# Altium PCB uZed_breakout.PcbDoc (part 2 of 5) (continued)
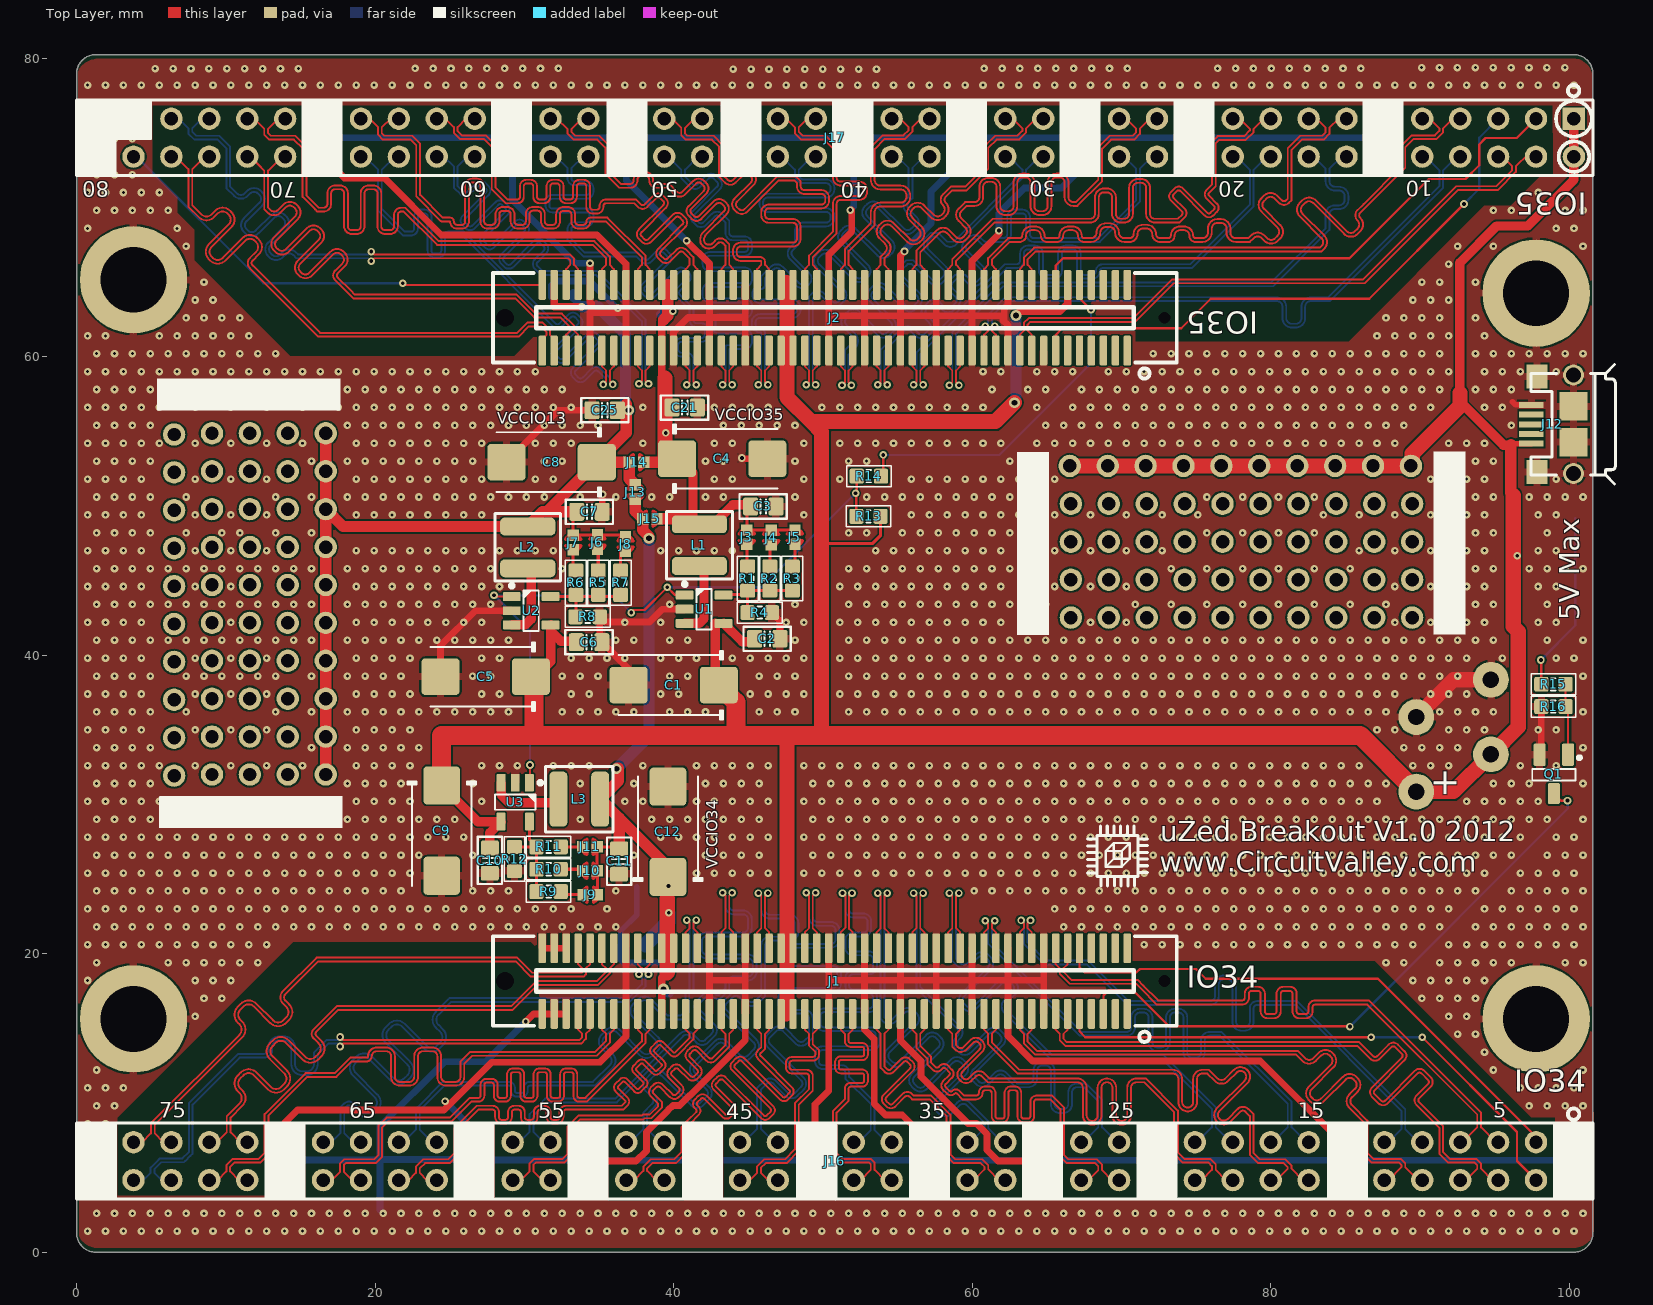
[diagram p0: Top Layer view]
## Nets (pads, with @x,y where several pads share a name; then routed paths per layer and width w, separated by ;. In a path a pad name is that pad's centre, name@x,y a point inside that pad or via, vN(x,y) a via of type N, cw(c..) or ccw(c..) an arc to the next point about the centre after c; other vN are vias at no path point) (continued)
57.135,56.6 58.335,56.6 59.535,56.6 60.735,56.6 64.335,56.6 66.735,56.6 67.935,56.6 69.135,56.6 70.335,56.6 71.535,56.6 72.735,56.6 73.935,56.6 75.135,56.6 76.335,56.6 77.535,56.6 78.735,56.6 79.935,56.6 81.135,56.6 82.335,56.6 83.535,56.6 84.735,56.6 85.935,56.6 87.135,56.6 88.335,56.6 89.535,56.6 90.735,56.6 94.335,56.6 95.535,56.6 1.335,57.8 2.535,57.8 3.735,57.8 4.935,57.8 18.135,57.8 19.335,57.8 20.535,57.8 21.735,57.8 22.935,57.8 24.135,57.8 25.335,57.8 26.535,57.8 27.735,57.8 28.935,57.8 30.135,57.8 31.335,57.8 32.535,57.8 61.335,57.8 63.735,57.8 64.935,57.8 67.335,57.8 68.535,57.8 69.735,57.8 70.935,57.8 72.135,57.8 73.335,57.8 74.535,57.8 75.735,57.8 76.935,57.8 78.135,57.8 79.335,57.8 80.535,57.8 81.735,57.8 82.935,57.8 84.135,57.8 85.335,57.8 86.535,57.8 87.735,57.8 88.935,57.8 90.135,57.8 91.335,57.8 93.735,57.8 94.935,57.8 96.135,57.8 0.735,59 1.935,59 3.135,59 4.335,59 5.535,59 6.735,59 7.935,59 9.135,59 10.335,59 11.535,59 12.735,59 13.935,59 15.135,59 16.335,59 17.535,59 18.735,59 19.935,59 21.135,59 22.335,59 23.535,59 24.735,59 25.935,59 27.135,59 28.335,59 29.535,59 30.735,59 60.735,59 61.935,59 64.335,59 65.535,59 66.735,59 69.135,59 70.335,59 71.535,59 72.735,59 73.935,59 75.135,59 76.335,59 77.535,59 78.735,59 79.935,59 81.135,59 82.335,59 83.535,59 84.735,59 85.935,59 87.135,59 88.335,59 89.535,59 90.735,59 91.935,59 94.335,59 95.535,59 96.735,59 99.135,59 1.335,60.2 2.535,60.2 3.735,60.2 4.935,60.2 6.135,60.2 7.335,60.2 8.535,60.2 9.735,60.2 10.935,60.2 12.135,60.2 13.335,60.2 72.135,60.2 73.335,60.2 74.535,60.2 75.735,60.2 76.935,60.2 78.135,60.2 79.335,60.2 80.535,60.2 81.735,60.2 82.935,60.2 84.135,60.2 85.335,60.2 86.535,60.2 87.735,60.2 88.935,60.2 90.135,60.2 91.335,60.2 93.735,60.2 94.935,60.2 96.135,60.2 97.335,60.2 98.535,60.2 99.735,60.2 100.935,60.2 0.735,61.4 1.935,61.4 5.535,61.4 6.735,61.4 7.935,61.4 9.135,61.4 10.335,61.4 11.535,61.4 87.135,61.4 88.335,61.4 89.535,61.4 90.735,61.4 91.935,61.4 94.335,61.4 7.335,62.6 8.535,62.6 9.735,62.6 10.935,62.6 87.735,62.6 88.935,62.6 90.135,62.6 91.335,62.6 93.735,62.6 7.935,63.8 9.135,63.8 89.535,63.8 90.735,63.8 91.935,63.8 8.535,65 90.135,65 91.335,65 93.735,65 91.935,66.2 7.335,67.4 92.535,67.4 94.935,67.4 100.935,67.4 0.735,68.6 6.735,68.6 99.135,68.6 100.335,68.6 1.335,69.8 2.535,69.8 3.735,69.8 4.935,69.8 6.135,69.8 94.935,69.8 96.135,69.8 99.735,69.8 100.935,69.8 0.735,71 1.935,71 3.135,71 4.335,71 5.535,71 97.935,71 1.335,72.2 2.535,72.2 3.735,72.2 1.335,74.6 2.535,74.6 3.735,74.6 15.735,74.6 16.935,74.6 28.935,74.6 30.135,74.6 37.335,74.6 44.535,74.6 51.735,74.6 58.935,74.6 60.135,74.6 67.335,74.6 74.535,74.6 87.735,74.6 2.535,77 15.735,77 16.935,77 30.135,77 36.135,77 37.335,77 52.935,77 58.935,77 60.135,77 75.735,77 0.735,78.2 1.935,78.2 3.135,78.2 4.335,78.2 5.535,78.2 6.735,78.2 7.935,78.2 9.135,78.2 10.335,78.2 11.535,78.2 12.735,78.2 13.935,78.2 15.135,78.2 16.335,78.2 17.535,78.2 18.735,78.2 19.935,78.2 21.135,78.2 22.335,78.2 23.535,78.2 24.735,78.2 25.935,78.2 27.135,78.2 28.335,78.2 29.535,78.2 30.735,78.2 31.935,78.2 33.135,78.2 34.335,78.2 35.535,78.2 36.735,78.2 37.935,78.2 39.135,78.2 40.335,78.2 41.535,78.2 42.735,78.2 43.935,78.2 45.135,78.2 46.335,78.2 47.535,78.2 48.735,78.2 49.935,78.2 51.135,78.2 52.335,78.2 53.535,78.2 54.735,78.2 55.935,78.2 57.135,78.2 58.335,78.2 59.535,78.2 60.735,78.2 61.935,78.2 63.135,78.2 64.335,78.2 65.535,78.2 66.735,78.2 67.935,78.2 69.135,78.2 70.335,78.2 71.535,78.2 72.735,78.2 73.935,78.2 75.135,78.2 76.335,78.2 77.535,78.2 78.735,78.2 79.935,78.2 81.135,78.2 82.335,78.2 83.535,78.2 84.735,78.2 85.935,78.2 87.135,78.2 88.335,78.2 89.535,78.2 90.735,78.2 91.935,78.2 93.135,78.2 94.335,78.2 95.535,78.2 96.735,78.2 97.935,78.2 99.135,78.2 100.335,78.2 43.994,79.273 45.194,79.273 46.394,79.273 47.594,79.273 48.794,79.273 49.994,79.273 51.194,79.273 52.394,79.273 53.594,79.273 5.259,79.299 6.459,79.299 7.659,79.299 8.859,79.299 10.059,79.299 11.259,79.299 12.459,79.299 13.659,79.299 14.859,79.299 22.683,79.324 23.883,79.324 25.083,79.324 26.283,79.324 27.483,79.324 28.683,79.324 29.883,79.324 31.083,79.324 32.283,79.324 60.809,79.324 62.009,79.324 63.209,79.324 64.409,79.324 65.609,79.324 66.809,79.324 68.009,79.324 69.209,79.324 70.409,79.324 76.455,79.324 77.655,79.324 78.855,79.324 80.055,79.324 81.255,79.324 82.455,79.324 83.655,79.324 84.855,79.324 86.055,79.324 90.12,79.375 91.32,79.375 92.52,79.375 93.72,79.375 94.92,79.375 96.12,79.375 97.32,79.375 98.52,79.375 99.72,79.375
IO_0_34: J1.9 J16.4 | length 37
  Top Layer w0.152: J1.9@67.2,15.961 67.2,14.791 67.589,14.402 v2(86.741,14.402) ; v2(90.17,14.402) 96.52,8.052 96.52,6.096 J16.4@97.79,4.826
  Bottom Layer w0.152: v2(86.741,14.402) v2(90.17,14.402)
IO_0_35: J2.13 J17.5 | length 38.7
  Top Layer w0.152: J2.13@65.6,60.411 65.6,61.46 66.04,61.9 74.016,61.9 75.997,63.881 86.614,63.881 v2(92.964,70.231)
  Bottom Layer w0.152: v2(92.964,70.231) 93.98,71.247 93.98,74.676 J17.5@95.25,75.946
IO_25_34: J1.10 J16.3 | length 37.1
  Top Layer w0.152: J1.10@67.2,20.361 67.2,19.084 67.539,18.745 71.018,18.745 71.247,18.974 75.006,18.974 75.667,18.313 87.198,18.313 97.79,7.722 J16.3@97.79,7.366
IO_25_35: J2.14 J17.3 | length 38.4
  Top Layer w0.152: J2.14@65.6,64.811 65.6,66.108 66.091,66.599 85.293,66.599 90.602,71.907 93.066,71.907 93.98,72.822 93.98,74.219 94.412,74.651 96.495,74.651 J17.3@97.79,75.946
L0_T0_34_N: J1.13 J16.8 | length 45.3
  Top Layer w0.127: J1.13@65.6,15.961 65.6,14.897 65.873,14.624 65.873,14.195 66.25,13.818 85.827,13.818 86.694,12.95 ccw(c87.004,13.26) 87.314,12.95 88.095,13.731 cw(c88.225,13.601) 88.356,13.731 88.796,13.291 cw(c88.665,13.161) 88.85,13.161 cw(c88.665,13.161) 88.796,13.031 86.793,11.028 ccw(c87.103,10.718) 86.793,10.408 87.233,9.968 ccw(c87.543,10.278) 87.853,9.968 89.855,11.971 cw(c89.986,11.841) 90.116,11.971 90.556,11.531 cw(c90.426,11.401) 90.61,11.401 cw(c90.426,11.401) 90.556,11.271 89.775,10.489 ccw(c90.084,10.179) 89.775,9.87 91.313,8.331 91.313,6.6 91.919,5.994 93.675,5.994 93.853,5.817 93.853,5.588 93.091,4.826 J16.8@92.71,4.826
L0_T0_34_P: J1.11 J16.6 | length 45.3
  Top Layer w0.127: J1.11@66.4,15.961 66.4,14.897 66.127,14.624 66.127,14.3 66.356,14.072 85.932,14.072 86.874,13.129 ccw(c87.004,13.26) 87.134,13.129 87.916,13.911 cw(c88.225,13.601) 88.535,13.911 88.975,13.471 cw(c88.665,13.161) 89.104,13.161 cw(c88.665,13.161) 88.975,12.851 86.973,10.849 ccw(c87.103,10.718) 86.973,10.588 87.413,10.148 ccw(c87.543,10.278) 87.673,10.148 89.676,12.151 cw(c89.986,11.841) 90.295,12.151 90.735,11.711 cw(c90.426,11.401) 90.864,11.401 cw(c90.426,11.401) 90.735,11.091 89.954,10.31 ccw(c90.084,10.179) 89.954,10.049 91.567,8.436 91.567,6.706 92.024,6.248 93.78,6.248 94.107,5.922 94.107,5.588 94.869,4.826 J16.6@95.25,4.826
L0_T0_35_N: J2.19 J17.6 | length 40.7
  Top Layer w0.127: J2.19@63.2,60.411 63.2,61.474 63.473,61.747 63.473,62.259 63.8,62.586 70.815,62.586 70.993,62.763 73.406,65.176 86.208,65.176 92.378,71.347 92.452,71.421 95.119,71.421 96.188,72.49 96.188,72.747 95.377,73.558 J17.6@94.971,73.558
L0_T0_35_P: J2.17 J17.4 | length 40.6
  Top Layer w0.127: J2.17@64,60.411 64,61.474 63.727,61.747 63.727,62.154 63.905,62.332 70.92,62.332 73.511,64.922 86.313,64.922 92.558,71.167 95.225,71.167 96.442,72.385 96.442,72.747 97.253,73.558 J17.4@97.511,73.558
L1_T0_34_N: J1.14 J16.7 | length 42.1
  Top Layer w0.127: J1.14@65.6,20.361 65.6,19.298 65.873,19.025 65.873,18.665 66.555,17.983 70.993,17.983 71.3,17.677 72.39,16.586 78.105,16.586 ccw(c78.105,17.031) 78.549,17.031 78.549,17.32 cw(c78.73,17.32) 78.73,17.501 79.157,17.501 cw(c79.157,17.32) 79.337,17.32 79.337,16.132 ccw(c79.797,16.132) 79.797,15.672 80.223,15.672 ccw(c80.223,16.132) 80.683,16.132 80.683,17.32 cw(c80.863,17.32) 80.863,17.501 81.29,17.501 cw(c81.29,17.32) 81.471,17.32 81.471,16.132 ccw(c81.93,16.132) 81.93,15.672 82.357,15.672 ccw(c82.357,16.132) 82.817,16.132 82.817,16.406 cw(c82.997,16.406) 82.997,16.586 86.487,16.586 93.853,9.22 93.853,8.357 92.862,7.366 J16.7@92.71,7.366
L1_T0_34_P: J1.12 J16.5 | length 42.1
  Top Layer w0.127: J1.12@66.4,20.361 66.4,19.298 66.127,19.025 66.127,18.771 66.66,18.237 71.098,18.237 71.479,17.856 72.47,16.866 78.105,16.866 ccw(c78.105,17.031) 78.27,17.031 78.27,17.32 cw(c78.73,17.32) 78.73,17.78 79.157,17.78 cw(c79.157,17.32) 79.616,17.32 79.616,16.132 ccw(c79.797,16.132) 79.797,15.951 80.223,15.951 ccw(c80.223,16.132) 80.404,16.132 80.404,17.32 cw(c80.863,17.32) 80.863,17.78 81.29,17.78 cw(c81.29,17.32) 81.75,17.32 81.75,16.132 ccw(c81.93,16.132) 81.93,15.951 82.357,15.951 ccw(c82.357,16.132) 82.537,16.132 82.537,16.406 cw(c82.997,16.406) 82.997,16.866 86.567,16.866 94.107,9.325 94.107,8.357 95.098,7.366 J16.5@95.25,7.366
L1_T0_35_N: J2.20 J17.9 | length 42.9
  Top Layer w0.127: J2.20@63.2,64.811 63.2,65.875 63.473,66.148 63.473,66.628 64.155,67.31 83.312,67.31 83.413,67.411 ccw(c83.143,67.68) 83.524,67.68 ccw(c83.143,67.68) 83.413,67.949 ; 83.413,67.949 81.958,69.404 cw(c82.407,69.853) 81.958,70.302 82.138,70.482 cw(c82.587,70.033) 83.036,70.482 85.113,68.405 ccw(c85.382,68.674) 85.652,68.405 85.831,68.585 ccw(c85.562,68.854) 85.943,68.854 ccw(c85.562,68.854) 85.831,69.123 cw(c86.184,69.476) 85.831,69.829 86.233,70.231 88.773,72.771 88.773,74.146 89.455,74.828 91.008,74.828 91.313,75.133 91.313,75.311 90.678,75.946 J17.9@90.17,75.946 J17.9@89.586,75.946
L1_T0_35_P: J2.18 J17.7 | length 42.3
  Top Layer w0.127: J2.18@64,64.811 64,65.875 63.727,66.148 63.727,66.523 64.26,67.056 83.417,67.056 83.592,67.231 ccw(c83.143,67.68) 83.778,67.68 ccw(c83.143,67.68) 83.592,68.129 82.138,69.584 cw(c82.407,69.853) 82.138,70.123 82.317,70.302 cw(c82.587,70.033) 82.856,70.302 84.933,68.225 ccw(c85.382,68.674) 85.831,68.225 86.011,68.405 ccw(c85.562,68.854) 86.197,68.854 ccw(c85.562,68.854) 86.011,69.303 cw(c86.184,69.476) 86.011,69.65 86.413,70.051 89.027,72.666 89.027,74.041 89.56,74.574 91.113,74.574 91.567,75.028 91.567,75.311 92.202,75.946 J17.7@92.71,75.946
L2_T0_34_N: J1.19 J16.12 | length 41.2
  Top Layer w0.127: J1.19@63.2,15.961 63.2,14.897 63.473,14.624 63.473,13.992 64.231,13.233 81.712,13.233 81.866,13.079 82.133,12.812 ccw(c82.587,13.265) 83.04,12.812 83.408,13.18 cw(c83.682,12.906) 83.956,13.18 84.037,13.099 cw(c83.763,12.825) 84.15,12.825 cw(c83.763,12.825) 84.037,12.552 82.573,11.088 ccw(c83.027,10.634) 82.573,10.181 82.654,10.1 ccw(c83.108,10.553) 83.561,10.1 85.025,11.564 cw(c85.299,11.29) 85.573,11.564 85.653,11.483 cw(c85.38,11.209) 85.767,11.209 cw(c85.38,11.209) 85.653,10.935 85.285,10.567 ccw(c85.739,10.113) 85.285,9.66 86.233,8.712 86.233,6.55 86.788,5.994 88.621,5.994 88.773,5.842 88.773,5.69 87.909,4.826 J16.12@87.63,4.826
L2_T0_34_P: J1.17 J16.10 | length 41.2
  Top Layer w0.127: J1.17@64,15.961 64,14.897 63.727,14.624 63.727,14.097 64.337,13.487 81.817,13.487 82.046,13.259 82.313,12.992 ccw(c82.587,13.265) 82.861,12.992 83.229,13.36 cw(c83.682,12.906) 84.136,13.36 84.217,13.279 cw(c83.763,12.825) 84.404,12.825 cw(c83.763,12.825) 84.217,12.372 82.753,10.908 ccw(c83.027,10.634) 82.753,10.36 82.834,10.28 ccw(c83.108,10.553) 83.381,10.28 84.845,11.743 cw(c85.299,11.29) 85.752,11.743 85.833,11.663 cw(c85.38,11.209) 86.021,11.209 cw(c85.38,11.209) 85.833,10.756 85.465,10.387 ccw(c85.739,10.113) 85.465,9.84 86.487,8.817 86.487,6.655 86.893,6.248 88.726,6.248 89.027,5.947 89.027,5.69 89.891,4.826 J16.10@90.17,4.826
L2_T0_35_N: J2.25 J17.10 | length 41.6
  Top Layer w0.127: J2.25@60.8,60.411 60.8,61.474 61.073,61.747 v2@61.073,61.976
  Bottom Layer w0.127: v2(60.883,62.052) 61.073,62.243 61.073,62.818 62.238,63.983 80.416,63.983 cw(c80.416,63.348) 81.051,63.348 81.051,62.586 ccw(c81.432,62.586) 81.432,62.205 81.686,62.205 ccw(c81.686,62.586) 82.067,62.586 82.067,63.348 cw(c82.702,63.348) 82.702,63.983 83.871,63.983 91.313,71.425 91.313,72.492 90.399,73.406 J17.10@90.17,73.406
L2_T0_35_P: J2.23 J17.8 | length 41.8
  Top Layer w0.127: v2(61.518,62.052) 61.403,62.052 61.327,61.976 61.327,61.747 61.6,61.474 J2.23@61.6,60.411
  Bottom Layer w0.127: v2(61.518,62.052) 61.327,62.243 61.327,62.713 62.343,63.729 80.416,63.729 cw(c80.416,63.348) 80.797,63.348 80.797,62.586 ccw(c81.432,62.586) 81.432,61.951 81.686,61.951 ccw(c81.686,62.586) 82.321,62.586 82.321,63.348 cw(c82.702,63.348) 82.702,63.729 83.976,63.729 91.567,71.32 91.567,72.492 92.481,73.406 J17.8@92.71,73.406
L3_T0_34_N: J1.20 J16.11 | length 42.1
  Top Layer w0.127: J1.20@63.2,20.361 63.2,21.425 63.473,21.698 63.473,22.047 63.295,22.225 v2(63.283,22.225)
  Bottom Layer w0.127: v2(63.283,22.225) 63.473,22.034 63.473,20.647 64.841,19.279 67.691,19.279 70.409,16.561 75.936,16.561 ccw(c75.936,17.155) 76.53,17.155 76.53,17.948 cw(c76.871,17.948) 76.871,18.288 77.104,18.288 cw(c77.104,17.948) 77.445,17.948 77.445,15.428 ccw(c78.039,15.428) 78.039,14.834 78.273,14.834 ccw(c78.273,15.428) 78.867,15.428 78.867,16.332 cw(c79.096,16.332) 79.096,16.561 81.686,16.561 88.773,9.474 88.773,8.23 87.909,7.366 J16.11@87.63,7.366
L3_T0_34_P: J1.18 J16.9 | length 42.1
  Top Layer w0.127: v2(63.918,22.225) 63.905,22.225 63.727,22.047 63.727,21.698 64,21.425 J1.18@64,20.361
  Bottom Layer w0.127: v2(63.918,22.225) 63.727,22.034 63.727,20.752 64.946,19.533 67.796,19.533 70.514,16.815 75.936,16.815 ccw(c75.936,17.155) 76.276,17.155 76.276,17.948 cw(c76.871,17.948) 76.871,18.542 77.104,18.542 cw(c77.104,17.948) 77.699,17.948 77.699,15.428 ccw(c78.039,15.428) 78.039,15.088 78.273,15.088 ccw(c78.273,15.428) 78.613,15.428 78.613,16.332 cw(c79.096,16.332) 79.096,16.815 81.792,16.815 89.027,9.579 89.027,8.23 89.891,7.366 J16.9@90.17,7.366
L3_T0_35_N: J2.26 J17.15 | length 42.1
  Top Layer w0.127: J2.26@60.8,64.811 60.8,65.875 61.073,66.148 61.073,66.602 62.416,67.945 63.198,67.945 ccw(c63.198,68.108) 63.36,68.108 cw(c63.985,68.108) 63.985,68.732 64.234,68.732 cw(c64.234,68.108) 64.859,68.108 ccw(c65.021,68.108) 65.021,67.945 65.687,67.945 ccw(c65.687,68.108) 65.849,68.108 cw(c66.474,68.108) 66.474,68.732 66.723,68.732 cw(c66.723,68.108) 67.348,68.108 ccw(c67.511,68.108) 67.511,67.945 67.968,67.945 ccw(c67.968,68.316) 68.339,68.316 cw(c68.964,68.316) 68.964,68.94 69.212,68.94 cw(c69.212,68.316) 69.837,68.316 ccw(c70.208,68.316) 70.208,67.945 70.559,67.945 ccw(c70.559,68.214) 70.828,68.214 cw(c71.453,68.214) 71.453,68.839 71.702,68.839 cw(c71.702,68.214) 72.326,68.214 ccw(c72.596,68.214) 72.596,67.945 73.153,67.945 ccw(c73.153,68.109) 73.317,68.109 cw(c73.942,68.109) 73.942,68.734 74.191,68.734 cw(c74.191,68.109) 74.816,68.109 ccw(c74.98,68.109) 74.98,67.945 75.435,67.945 ccw(c75.435,68.316) 75.806,68.316 75.806,68.59 cw(c76.431,68.59) 76.431,69.215 76.68,69.215 cw(c76.68,68.59) 77.305,68.59 77.305,68.316 ccw(c77.676,68.316) 77.676,67.945 78.511,67.945 78.697,68.131 cw(c79.139,67.689) 79.581,68.131 79.775,67.937 ccw(c80.037,68.199) 80.299,67.937 80.475,68.113 ccw(c80.213,68.375) 80.584,68.375 ccw(c80.213,68.375) 80.475,68.637 79.383,69.729 cw(c79.825,70.171) 79.383,70.613 79.559,70.789 cw(c80.001,70.347) 80.443,70.789 80.742,70.489 ccw(c80.899,70.646) 81.055,70.489 81.153,70.587 81.153,73.968 81.988,74.803 83.464,74.803 83.693,75.032 83.693,75.336 83.083,75.946 J17.15@82.55,75.946
L3_T0_35_P: J2.24 J17.13 | length 42.1
  Top Layer w0.127: J2.24@61.6,64.811 61.6,65.875 61.327,66.148 61.327,66.497 62.521,67.691 63.198,67.691 ccw(c63.198,68.108) 63.614,68.108 cw(c63.985,68.108) 63.985,68.478 64.234,68.478 cw(c64.234,68.108) 64.605,68.108 ccw(c65.021,68.108) 65.021,67.691 65.687,67.691 ccw(c65.687,68.108) 66.103,68.108 cw(c66.474,68.108) 66.474,68.478 66.723,68.478 cw(c66.723,68.108) 67.094,68.108 ccw(c67.511,68.108) 67.511,67.691 67.968,67.691 ccw(c67.968,68.316) 68.593,68.316 cw(c68.964,68.316) 68.964,68.686 69.212,68.686 cw(c69.212,68.316) 69.583,68.316 ccw(c70.208,68.316) 70.208,67.691 70.559,67.691 ccw(c70.559,68.214) 71.082,68.214 cw(c71.453,68.214) 71.453,68.585 71.702,68.585 cw(c71.702,68.214) 72.072,68.214 ccw(c72.596,68.214) 72.596,67.691 73.153,67.691 ccw(c73.153,68.109) 73.571,68.109 cw(c73.942,68.109) 73.942,68.48 74.191,68.48 cw(c74.191,68.109) 74.562,68.109 ccw(c74.98,68.109) 74.98,67.691 75.435,67.691 ccw(c75.435,68.316) 76.06,68.316 76.06,68.59 cw(c76.431,68.59) 76.431,68.961 76.68,68.961 cw(c76.68,68.59) 77.051,68.59 77.051,68.316 ccw(c77.676,68.316) 77.676,67.691 78.617,67.691 78.877,67.951 cw(c79.139,67.689) 79.401,67.951 79.595,67.757 ccw(c80.037,68.199) 80.479,67.757 80.655,67.933 ccw(c80.213,68.375) 80.838,68.375 ccw(c80.213,68.375) 80.655,68.817 79.563,69.909 cw(c79.825,70.171) 79.563,70.433 79.739,70.609 cw(c80.001,70.347) 80.263,70.609 80.563,70.309 ccw(c80.899,70.646) 81.235,70.309 81.407,70.481 81.407,73.863 82.093,74.549 83.57,74.549 83.947,74.926 83.947,75.336 84.557,75.946 J17.13@85.09,75.946
L4_T0_34_N: J1.25 J16.18 | length 39
  Top Layer w0.127: J1.25@60.8,15.961 60.8,14.897 61.073,14.624 61.073,13.941 63.051,11.963 73.457,11.963 cw(c73.457,11.595) 73.825,11.595 73.825,10.054 ccw(c74.447,10.054) 75.07,10.054 75.07,11.595 cw(c75.438,11.595) 75.438,11.963 75.768,11.963 76.263,11.468 ccw(c76.713,11.917) 77.162,11.468 77.723,12.03 ; 77.724,12.03 cw(c77.992,11.76) 78.262,12.03 cw(c77.992,11.76) 78.373,11.76 cw(c77.992,11.76) 78.262,11.491 76.407,9.636 ccw(c76.856,9.187) 77.305,8.738 77.978,9.411 cw(c78.149,9.239) 78.321,9.411 78.613,9.119 78.613,6.524 79.168,5.969 80.874,5.969 81.153,5.69 81.153,5.588 80.391,4.826 J16.18@80.01,4.826
L4_T0_34_P: J1.23 J16.16 | length 39
  Top Layer w0.127: J1.23@61.6,15.961 61.6,14.897 61.327,14.624 61.327,14.046 63.156,12.217 73.457,12.217 cw(c73.457,11.595) 74.079,11.595 74.079,10.054 ccw(c74.447,10.054) 74.816,10.054 74.816,11.595 cw(c75.438,11.595) 75.438,12.217 75.873,12.217 76.443,11.648 ; 76.443,11.648 ccw(c76.713,11.917) 76.981,11.647 ; 76.586,8.918 cw(c76.856,9.187) 76.587,9.456 78.441,11.311 ccw(c77.992,11.76) 78.627,11.76 ccw(c77.992,11.76) 77.543,12.209 76.982,11.648 ; 76.587,8.918 ccw(c76.856,9.187) 77.125,8.917 ; 77.125,8.918 77.798,9.59 cw(c78.149,9.239) 78.501,9.59 78.867,9.224 78.867,6.629 79.273,6.223 80.979,6.223 81.407,5.795 81.407,5.588 82.169,4.826 J16.16@82.55,4.826
L4_T0_35_N: J2.31 J17.16 | length 41.2
  Top Layer w0.127: J2.31@58.4,60.411 58.4,59.347 58.673,59.074 58.673,58.28 v2(58.483,58.09)
  Bottom Layer w0.127: v2(58.483,58.09) 58.673,58.28 58.673,61.648 61.998,64.973 80.061,64.973 83.693,68.605 83.693,69.545 cw(c84.29,69.545) 84.29,70.142 84.592,70.142 ccw(c84.592,70.513) 84.963,70.513 84.963,70.762 ccw(c84.592,70.762) 84.592,71.133 84.318,71.133 cw(c84.318,71.758) 83.693,71.758 83.693,72.593 82.88,73.406 J17.16@82.55,73.406
L4_T0_35_P: J2.29 J17.14 | length 41.2
  Top Layer w0.127: v2(59.118,58.09) 58.927,58.28 58.927,59.074 59.2,59.347 J2.29@59.2,60.411
  Bottom Layer w0.127: v2(59.118,58.09) 58.927,58.28 58.927,61.543 62.103,64.719 80.166,64.719 83.947,68.5 83.947,69.545 cw(c84.29,69.545) 84.29,69.888 84.592,69.888 ccw(c84.592,70.513) 85.217,70.513 85.217,70.762 ccw(c84.592,70.762) 84.592,71.387 84.318,71.387 cw(c84.318,71.758) 83.947,71.758 83.947,72.593 84.76,73.406 J17.14@85.09,73.406
L5_T0_34_N: J1.26 J16.17 | length 41.1
  Top Layer w0.127: J1.26@60.8,20.361 60.8,21.425 61.073,21.698 61.073,22.009 v2(60.883,22.2)
  Bottom Layer w0.127: v2(60.883,22.2) 61.073,22.009 61.073,20.647 67.216,14.503 70.358,14.503 ccw(c70.358,15.062) 70.917,15.062 70.917,15.712 cw(c71.257,15.712) 71.257,16.053 71.491,16.053 cw(c71.491,15.712) 71.831,15.712 71.831,14.056 ccw(c72.426,14.056) 72.426,13.462 72.659,13.462 ccw(c72.659,14.056) 73.254,14.056 73.254,15.712 cw(c73.594,15.712) 73.594,16.053 73.828,16.053 cw(c73.828,15.712) 74.168,15.712 74.168,13.371 ccw(c74.762,13.371) 74.762,12.776 74.996,12.776 ccw(c74.996,13.371) 75.59,13.371 75.59,14.163 cw(c75.931,14.163) 75.931,14.503 76.606,14.503 81.153,9.957 81.153,8.357 80.162,7.366 J16.17@80.01,7.366
L5_T0_34_P: J1.24 J16.15 | length 41.1
  Top Layer w0.127: v2(61.518,22.2) 61.327,22.009 61.327,21.698 61.6,21.425 J1.24@61.6,20.361
  Bottom Layer w0.127: v2(61.518,22.2) 61.327,22.009 61.327,20.752 67.321,14.757 70.358,14.757 ccw(c70.358,15.062) 70.663,15.062 70.663,15.712 cw(c71.257,15.712) 71.257,16.307 71.491,16.307 cw(c71.491,15.712) 72.085,15.712 72.085,14.056 ccw(c72.426,14.056) 72.426,13.716 72.659,13.716 ccw(c72.659,14.056) 73,14.056 73,15.712 cw(c73.594,15.712) 73.594,16.307 73.828,16.307 cw(c73.828,15.712) 74.422,15.712 74.422,13.371 ccw(c74.762,13.371) 74.762,13.03 74.996,13.03 ccw(c74.996,13.371) 75.336,13.371 75.336,14.163 cw(c75.931,14.163) 75.931,14.757 76.712,14.757 81.407,10.062 81.407,8.357 82.398,7.366 J16.15@82.55,7.366